# KiCad board MASLAB.kicad_pcb (continued)
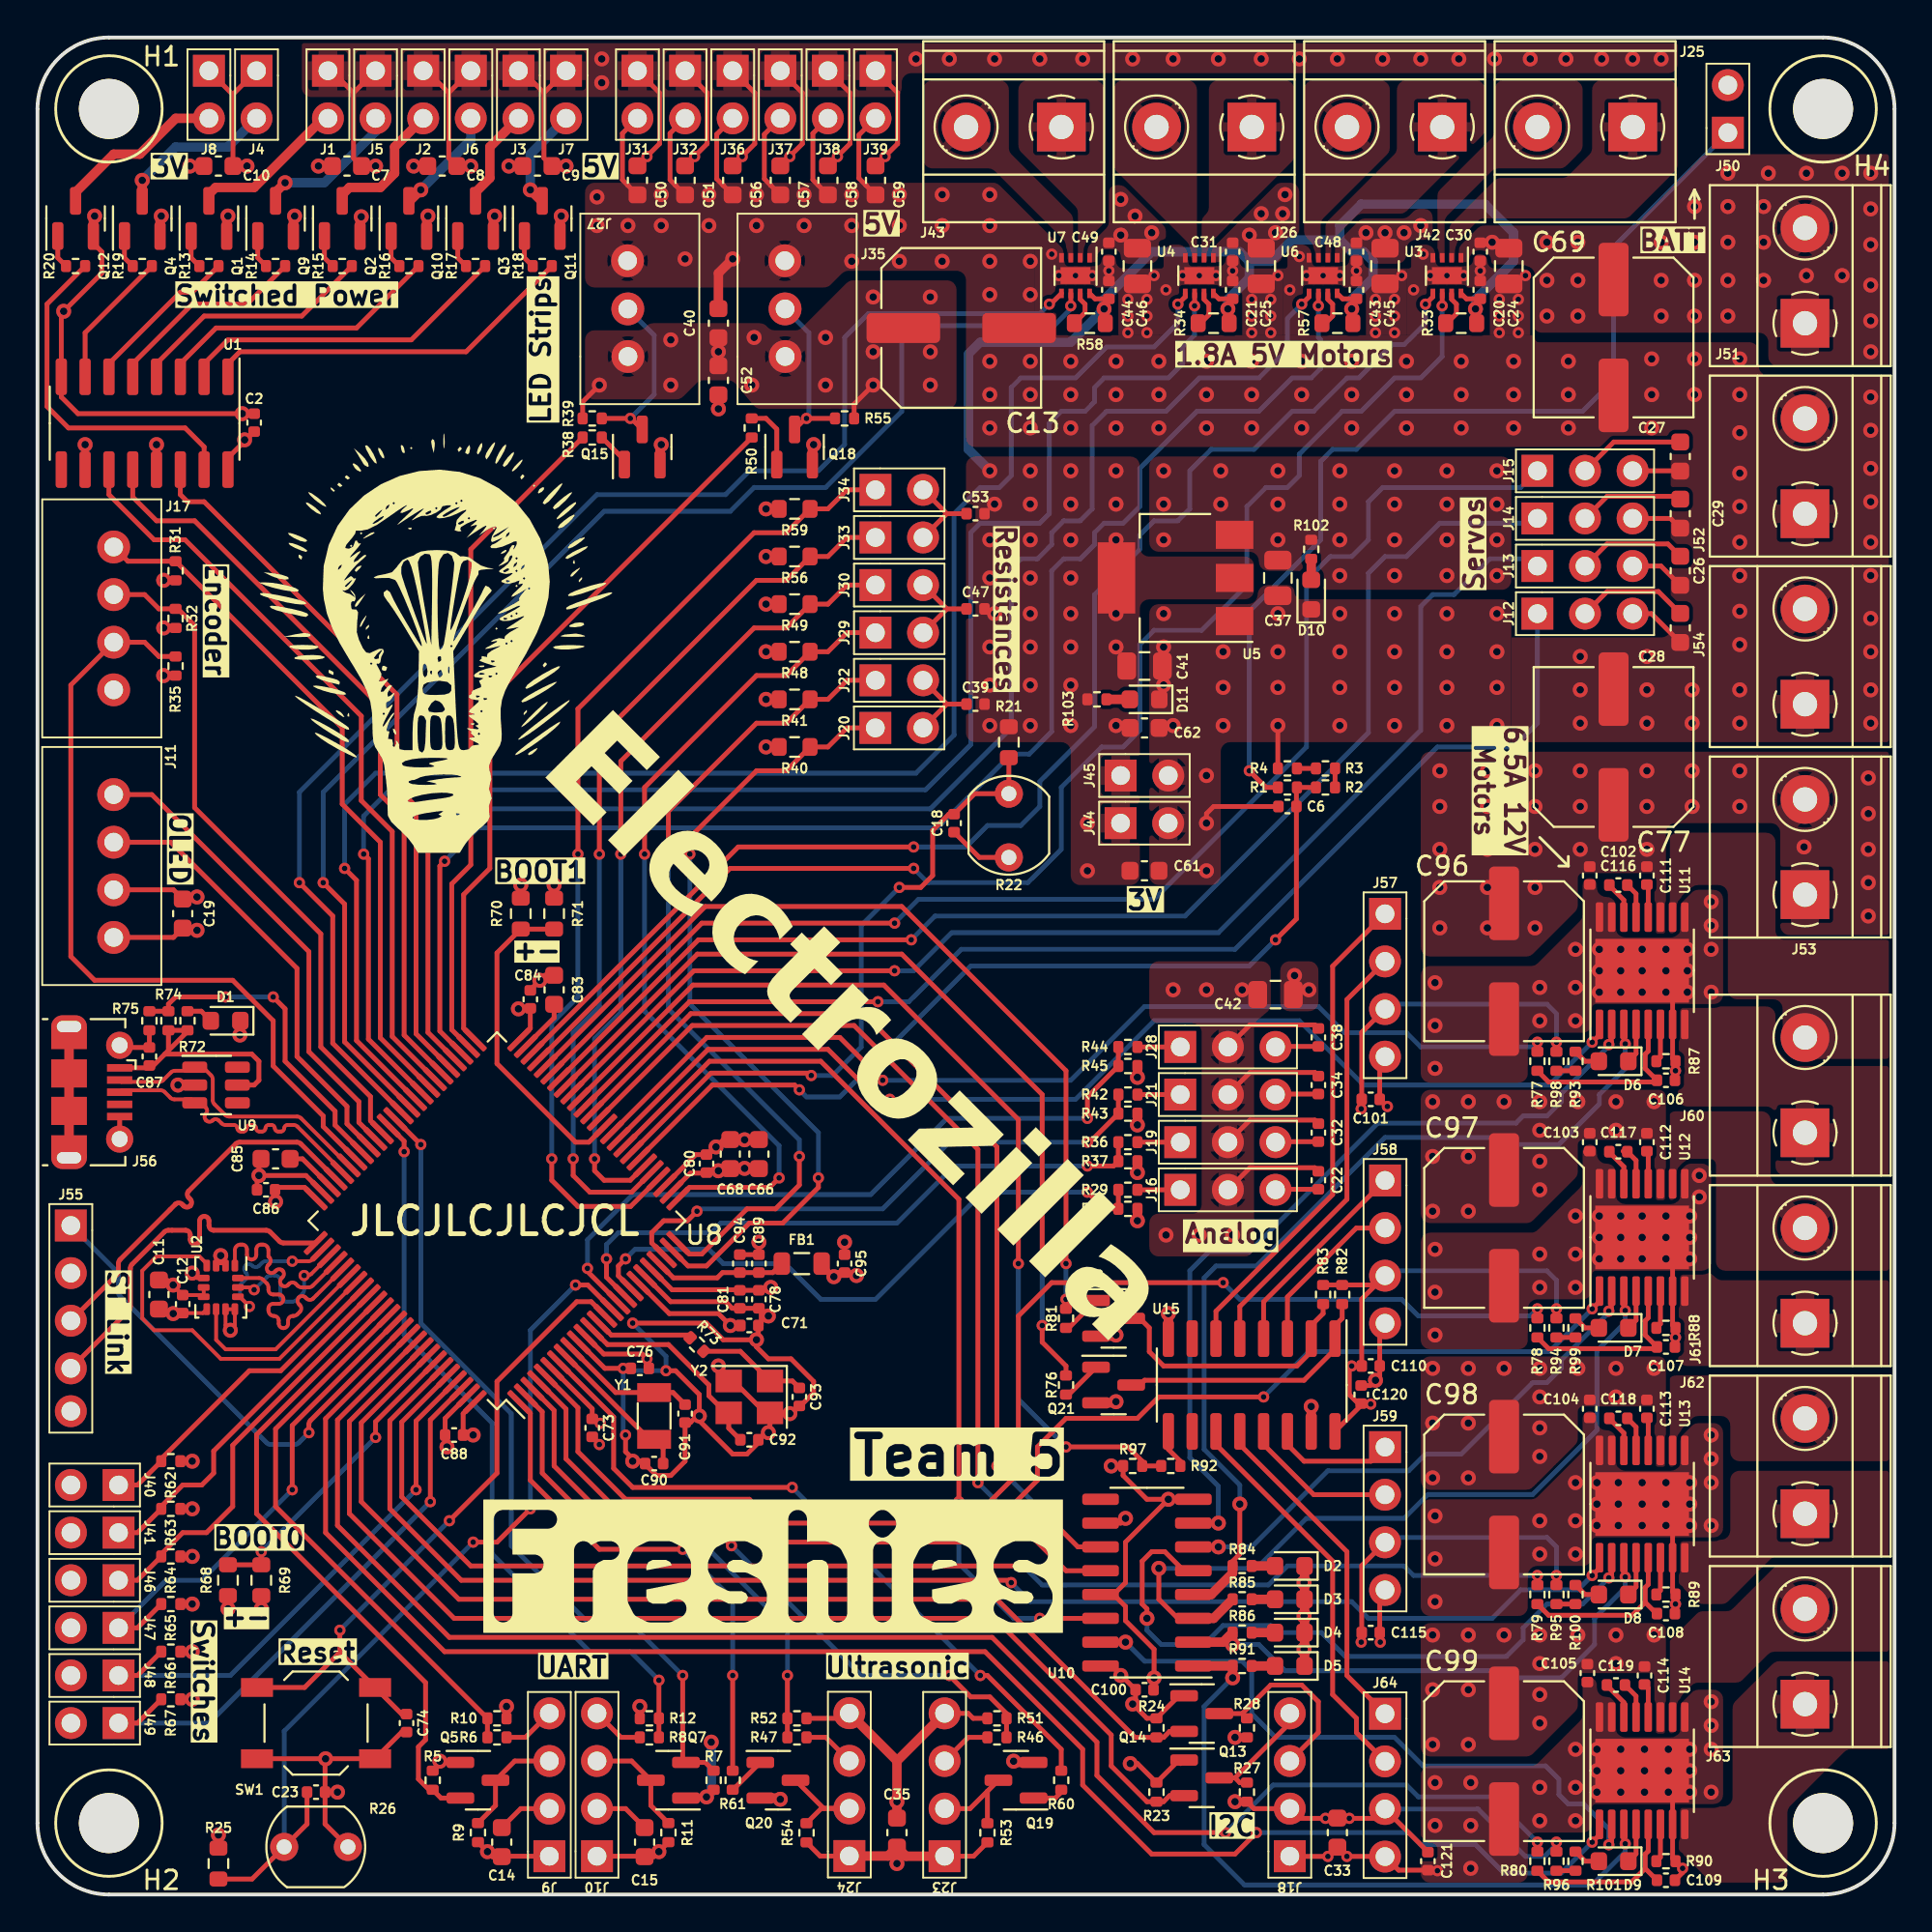
[diagram p0: board, top side]
## Routing (per net, layer and track width the routed paths; a pad name or vN(x,y) marks a point on that pad's centre or on a via; arc(x,y) is an arc through that point) (continued)
VBUS: length 14
  Top w0.254: 6.98,45.02 R74.1 R72.1 8,46.04 6.98,45.02 ; 6.98,45.02 6.79,44.83 ; U9.5 11.56,43.18 11.81,43.43 11.81,44.45 11.43,44.83 6.79,44.83 ; J56.1 5.84,44.1 C87.1 6.19,44.22 6.79,44.83
+BATT: length 53.1
  Top w0.254: v2(64.64,59.94) 65.53,59.05 R1.1
  Bottom w0.254: J50.1 84.07,87.88 84.07,80.77 82.42,79.12 72.39,79.12 70.36,77.09 69.09,77.09 68.45,76.45 68.45,72.26 64.64,68.45 v2(64.64,59.94)
/A1HDR: length 2.3
  Top w0.254: R29.1 J16.1
/A2HDR: length 2.3
  Top w0.254: R36.1 J19.1
/A3HDR: length 2.3
  Top w0.254: R42.1 J21.1
/A4HDR: length 2.3
  Top w0.254: J28.1 R44.1
/AIN1: length 33.4
  Top w0.254: R29.2 R30.1 56.9,36.58 v2(56.01,37.46) ; v2(31.37,33.91) 30.99,33.53 30.99,33 U8.18
  Bottom w0.254: v2(56.01,37.46) 50.42,37.46 44.7,31.75 41.78,31.75 39.88,33.66 36.58,33.66 35.81,34.42 31.88,34.42 v2(31.37,33.91)
/AIN2: length 33.3
  Top w0.254: R36.2 R37.1 57.4,38.86 v2(56.01,38.86) ; v2(30.35,33.91) 30.35,32.93 U8.17
  Bottom w0.254: v2(30.35,33.91) 30.35,34.67 30.99,35.31 35.94,35.31 36.45,35.81 45.85,35.81 48.9,38.86 v2(56.01,38.86)
/AIN3: length 30.1
  Top w0.254: U8.23 32.77,34.76 32.77,35.31 33.4,35.94 34.67,35.94 v2(35.18,36.45) ; R42.2 57.66,41.66 R43.1 57.66,41.65 56.13,40.13 v2(56.01,40.13)
  Bottom w0.254: v2(56.01,40.13) 48.64,40.13 45.09,36.58 35.31,36.58 v2(35.18,36.45)
/AIN4: length 37.9
  Top w0.254: v2(29.34,33.4) 29.34,33.24 U8.16 ; R44.2 R45.1 56.01,42.55 v2(56.01,41.4)
  Bottom w0.254: v2(29.34,33.4) 29.34,34.92 31.75,37.34 44.45,37.34 48.51,41.4 v2(56.01,41.4)
/AMB1: length 35.3
  Top w0.254: v2(41.28,43.69) 41.15,43.81 35.92,43.81 U8.33 ; v2(45.97,53.72) 47.12,53.72 47.75,54.36 47.75,56.77 48.61,57.63 C18.1 49.99,58.72 R22.1 R21.2
  Bottom w0.254: v2(41.28,43.69) 42.42,43.69 43.94,45.21 43.94,51.69 v2(45.97,53.72)
/AMB2: length 47.3
  Top w0.254: R25.2 11.44,0.83 R26.1 14.38,3.76 14.38,5.46 ; v2(28.7,32.51) 29.35,32.51 U8.15 ; v2(23.24,18.8) 24.51,18.8 v2(26.29,20.57)
  Bottom w0.254: v2(26.29,20.57) 26.29,30.1 v2(28.7,32.51) ; v2(23.24,18.8) 13.16,8.71 R26.1
/BOOT0: length 16.4
  Top w0.254: R68.2 R69.1 v2(11.94,18.29) ; U8.94 18.03,25.22 v2(18.03,24.38)
  Bottom w0.254: v2(18.03,24.38) v2(11.94,18.29)
/BOOT1: length 17.4
  Top w0.254: R71.1 R70.2 24.51,50.23 24.51,44.32 28.7,40.13 29.41,40.13 U8.37
/BREF: length 49
  Top w0.254: R2.1 67.19,59.05 67.16,59.02 C6.1 67.16,52.04 v2(66.04,50.93) ; U8.32 35.99,43.18 40.39,43.18 v2(40.64,42.93)
  Bottom w0.254: v2(66.04,50.93) 64.64,49.53 49.78,49.53 42.8,42.55 41.02,42.55 v2(40.64,42.93)
/BRR1: length 1
  Top w0.254: R3.1 69.22,59.06 R2.2
/BRR2: length 1
  Top w0.254: 67.19,60.07 R3.2
/DRE1: length 37.2
  Top w0.254: U8.58 18.29,45.7 18.29,56.13 16.26,58.17 16.26,62.23 R31.2 4.82,71.12 J17.1
/DRE2: length 36.2
  Top w0.254: J17.2 5.71,69.34 6.47,68.58 R32.2 7.49,68.58 8.38,67.69 8.38,57.98 15.11,51.24 15.11,45.21 17.76,42.56 17.76,41.28 U8.65
/DRESW: length 42.7
  Top w0.254: R35.2 6.47,66.04 5.71,66.8 J17.3 1.78,64.52 1.78,50.04 3.05,48.77 10.41,48.77 12.57,46.61 12.57,44.2 15.24,41.53 15.24,40.97 U8.69
/ECHO1: length 35.6
  Top w0.254: v2(48.64,11.68) 49.78,10.54 50.8,10.54 51.69,9.65 R51.2 ; R46.1 51.69,9.4 R51.2 ; 51.69,9.52 R51.2 ; v2(37.02,18.61) 35.81,19.81 30.61,19.81 27.56,22.86 27.56,25.82 U8.3
  Bottom w0.254: v2(37.02,18.61) 43.94,11.68 v2(48.64,11.68)
/ECHO2: length 26.9
  Top w0.254: v2(35.69,18.54) 35.05,19.18 30.23,19.18 26.92,22.48 26.92,25.75 U8.2 ; 40,8.38 40,11.68 v2(40,11.68)
  Bottom w0.254: v2(35.69,18.54) 40,14.22 v2(40,11.68)
/ENCCLK: length 14.5
  Top w0.254: Q22.3 58.8,30.73 59.31,30.23 59.31,28.96 60.07,28.19 67.18,28.19 67.94,28.96 U15.2 67.94,30.35 68.58,30.99 R83.2
/ENCLK: length 47.6
  Top w0.254: v2(54.86,33.66) 54.86,43.94 46.1,52.7 35.62,52.7 U8.46 ; R81.1 v2(54.86,31.75)
  Bottom w0.254: v2(54.86,33.66) v2(54.86,31.75)
/ENLCLK: length 2.2
  Top w0.254: Q22.1 55.01,30.22 R81.2
/ENPL: length 46.9
  Top w0.254: U8.43 35.2,50.16 46.1,50.16 53.59,42.67 v2(53.59,33.66) ; v2(53.59,30.35) 53.59,29.46 54.86,28.19 R76.1
  Bottom w0.254: v2(53.59,30.35) v2(53.59,33.66)
/ENPLC: length 14.2
  Top w0.254: R82.2 69.6,30.73 69.22,30.35 U15.1 69.22,29.08 67.56,27.43 59.06,27.43 58.8,27.18 Q21.3
/ENPLL: length 2.2
  Top w0.254: R76.2 55.01,26.67 Q21.1
/ENSO: length 53.1
  Top w0.254: v2(52.32,33.66) 52.32,41.34 45.15,48.51 34.96,48.51 U8.41 ; v2(54.86,23.88) 58.17,23.88 58.93,23.11 R97.1 R92.1
  Bottom w0.254: v2(54.86,23.88) 52.32,26.42 v2(52.32,33.66)
/ENSOC: length 2.1
  Top w0.254: R92.2 60.96,23.11 60.32,23.75 60.32,24.7
/GCS: length 7.9
  Top w0.2: v2(11.3,31.37) 10.79,31.88 U2.12 ; U8.77 14.66,33.87 arc(14.56,33.8) 14.45,33.78 v2(13.59,33.78)
  Bottom w0.2: v2(11.3,31.37) 10.88,31.79 arc(10.82,31.89) 10.79,32 10.79,32.39 arc(10.82,32.5) 10.88,32.6 11.11,32.83 arc(11.19,33.01) 11.11,33.18 11.1,33.2 arc(11.03,33.37) 11.1,33.55 arc(11.28,33.62) 11.45,33.55 11.47,33.54 arc(11.64,33.46) 11.82,33.54 11.98,33.69 arc(12.07,33.76) 12.19,33.78 v2(13.59,33.78)
/GINT1: length 20.5
  Top w0.2: U2.4 9.03,33.64 8.64,34.04 6.35,34.04 5.59,33.27 5.59,30.73 6.22,30.1 8.25,30.1 9.78,28.57 12.9,28.57 U8.82
/GINT2: length 10.5
  Top w0.2: U8.81 12.7,29.08 10.03,29.08 9.53,29.59 U2.9
/GSCLK: length 7.8
  Top w0.2: v2(11.56,32.26) 11.43,32.38 U2.13 ; U8.78 14.61,33.11 arc(14.51,33.04) 14.39,33.02 v2(14.22,33.02)
  Bottom w0.2: v2(11.56,32.26) 12.23,32.93 arc(12.33,33) 12.44,33.02 12.65,33.02 arc(12.87,32.93) 12.95,32.72 12.95,31.92 arc(13.04,31.71) 13.25,31.62 13.59,31.62 arc(13.71,31.65) 13.8,31.71 14.14,32.04 arc(14.2,32.14) 14.22,32.26 v2(14.22,33.02)
/GSDI: length 11
  Top w0.2: U2.14 11.82,32.88 arc(11.94,32.86) 12.03,32.8 12.23,32.6 arc(12.3,32.5) 12.32,32.39 12.32,32.26 arc(12.39,32.08) 12.57,32.01 12.87,32.01 arc(13.05,31.93) 13.12,31.76 arc(13.05,31.58) 12.87,31.51 12.57,31.51 arc(12.39,31.43) 12.32,31.26 12.32,31.16 arc(12.41,30.95) 12.62,30.86 arc(12.8,30.79) 12.87,30.61 12.87,30.46 arc(12.94,30.28) 13.12,30.21 arc(13.3,30.28) 13.37,30.46 13.37,30.61 arc(13.44,30.79) 13.62,30.86 13.65,30.86 arc(13.76,30.88) 13.86,30.95 14,31.09 arc(14.07,31.26) 14,31.44 13.94,31.5 arc(13.87,31.67) 13.94,31.85 arc(14.12,31.92) 14.3,31.85 14.35,31.79 arc(14.53,31.72) 14.71,31.79 U8.80
/GSDO: length 10.7
  Top w0.2: U8.79 14.68,32.47 arc(14.58,32.41) 14.47,32.38 14.09,32.38 arc(13.98,32.41) 13.88,32.47 13.78,32.58 arc(13.6,32.65) 13.43,32.58 13.37,32.51 arc(13.19,32.44) 13.01,32.51 arc(12.94,32.69) 13.01,32.87 13.07,32.93 arc(13.15,33.11) 13.07,33.28 arc(12.9,33.36) 12.72,33.28 12.66,33.22 arc(12.48,33.15) 12.3,33.22 arc(12.23,33.4) 12.3,33.58 12.37,33.64 arc(12.44,33.81) 12.37,33.99 12.32,34.04 12.32,34.37 arc(12.23,34.58) 12.02,34.67 11.92,34.67 arc(11.75,34.6) 11.67,34.42 11.67,34.12 arc(11.6,33.94) 11.42,33.87 arc(11.25,33.94) 11.17,34.12 11.17,34.42 arc(11.1,34.6) 10.92,34.67 10.83,34.67 arc(10.62,34.58) 10.53,34.37 U2.1
/LMCLK: length 51.1
  Top w0.254: U10.11 55.5,18.54 v2(53.59,20.45) ; v2(51.18,22.86) 51.18,39.88 44.07,46.99 34.85,46.99 U8.39
  Bottom w0.254: v2(53.59,20.45) v2(51.18,22.86)
/LMDAT: length 50.9
  Top w0.254: v2(49.15,20.95) 49.15,37.08 41.78,44.45 35.85,44.45 U8.34 ; U10.14 v2(53.47,14.73)
  Bottom w0.254: v2(53.47,14.73) 52.07,14.73 49.15,17.65 v2(49.15,20.95)
/LMSV: length 51.3
  Top w0.254: v2(50.16,21.97) 50.16,39.75 43.56,46.35 34.92,46.35 U8.38 ; U10.12 54.86,17.27 v2(52.64,19.49)
  Bottom w0.254: v2(50.16,21.97) v2(52.64,19.49)
/M1CPH: length 1.9
  Top w0.25: C116.2 85.27,53.38 U11.13
/M1CPL: length 2
  Top w0.25: U11.14 84.62,53.05 83.85,53.82 C116.1
/M1CREF: length 55.5
  Top w0.25: R77.1 v2(80.01,45.47)
  Top w0.254: U8.36 35.7,45.72 42.8,45.72 v2(45.09,43.43)
  Bottom w0.25: v2(45.09,43.43) 55.12,43.43 59.06,47.37 68.33,47.37 69.72,45.97 73.03,45.97 73.79,45.21 79.76,45.21 v2(80.01,45.47)
/M1EN: length 60.2
  Top w0.254: v2(45.47,42.42) 44.83,42.42 42.16,45.08 35.78,45.08 U8.35 ; U11.1 83.32,45.86 v2(82.93,45.47)
  Bottom w0.254: v2(82.93,45.47) 80.65,43.18 70.74,43.18 67.31,46.61 59.56,46.61 55.37,42.42 v2(45.47,42.42)
/M1ENA: length 23.3
  Top w0.254: 64.13,29.65 64.13,31.37 69.85,37.08 69.85,47.74 J57.2
/M1ENB: length 26.4
  Top w0.254: J57.1 69.09,49.52 69.09,37.34 62.87,31.11 U15.6
/M1FLED: length 1.5
  Top w0.254: R93.2 82.55,44.45 D6.2
/M1IROPI: length 2.1
  Top w0.254: 86.57,46.41 86.57,44.66 R87.1
/M1nFLT: length 2.1
  Top w0.254: D6.1 85.27,44.86 U11.4
/M1nSLP: length 49.4
  Top w0.254: U11.3 84.62,45.45 v2(84.7,45.37) ; 63.75,17.53 63.75,17.78 64.13,18.16 v1(64.13,20.83)
  Top w0.5: 63.75,17.53 R84.1 63.75,17.14 62.61,16 U10.4
  Bottom w0.254: v1(64.13,20.83) 64.13,21.84 62.23,23.75 62.23,32.89 62.87,33.53 65.02,33.53 71.88,40.39 78.1,40.39 78.49,40 81.15,40 83.31,42.16 83.31,42.67 84.7,44.06 v2(84.7,45.37)
/M1PH: length 44.2
  Top w0.254: v2(83.82,45.34) 83.96,45.48 83.96,46.4 U11.2 ; U10.7 v1(62.99,19.81)
  Bottom w0.254: v2(83.82,45.34) 83.82,45.26 81.28,42.72 81.28,42.29 80.52,41.53 79.25,41.53 78.87,41.15 71.5,41.15 64.64,34.29 62.48,34.29 61.47,33.27 61.47,23.3 62.99,21.78 v1(62.99,19.81)
/M1SLED: length 1
  Top w0.254: R93.1 R98.1
/M1SPLD: length 1.2
  Top w0.5: R84.2 D2.2
/M1VCP: length 1.8
  Top w0.25: U11.12 85.92,53.8 C111.2
/M1VREF: length 10
  Top w0.254: R77.2 80.61,43.34 86.3,43.34 C106.1 85.76,44.06 85.76,44.83 85.92,44.99 U11.5
/M2CPH: length 2
  Top w0.254: 84.58,39.65 84.65,39.58 ; C117.2 85.27,39.16 U12.13
/M2CPL: length 2
  Top w0.254: U12.14 84.62,38.82 83.85,39.6
/M2CREF: length 69.2
  Top w0.25: R78.1 v2(80.01,31.24)
  Top w0.254: v2(63.25,32.64) 54.1,32.64 52.32,30.86 52.32,22.48 49.66,19.81 39.24,19.81 37.97,21.08 31.37,21.08 28.83,23.62 28.83,25.97 U8.5
  Bottom w0.25: v2(63.25,32.64) 64.13,31.75 72.77,31.75 73.66,30.86 79.63,30.86 v2(80.01,31.24)
/M2EN: length 68.6
  Top w0.254: v2(65.41,26.54) 59.82,26.54 58.67,25.4 54.86,25.4 53.34,23.88 53.34,22.1 50.04,18.8 38.61,18.8 36.96,20.45 30.99,20.45 28.19,23.24 28.19,25.89 U8.4 ; U12.1 83.32,31.63 v2(82.93,31.24)
  Bottom w0.254: v2(82.93,31.24) 80.65,28.96 67.82,28.96 v2(65.41,26.54)
/M2ENA: length 9
  Top w0.254: J58.2 70.35,35.55 66.67,31.88 66.67,29.65
/M2ENB: length 11.1
  Top w0.254: J58.1 65.41,31.61 U15.4
/M2FLED: length 1.5
  Top w0.254: D7.2 82.55,30.23 R99.2
/M2IROPI: length 2.1
  Top w0.254: R88.1 86.57,30.44 86.57,32.19
/M2nFLT: length 2.1
  Top w0.254: D7.1 85.27,30.64 U12.4
/M2nSLP: length 40.9
  Top w0.254: U12.3 84.62,31.22 v2(84.7,31.15) ; U10.3 60.83,14.73 59.82,15.75 v1(59.82,17.4)
  Top w0.5: U10.3 62.74,14.73 R85.1
  Bottom w0.254: v1(59.82,17.4) 65.02,17.4 67.69,20.07 72.9,20.07 74.17,21.34 79.76,21.34 83.19,24.77 83.19,29.01 84.7,30.52 v2(84.7,31.15)
/M2PH: length 28.8
  Top w0.254: v2(83.82,31.12) 83.96,31.26 83.96,32.17 U12.2 ; U10.6 v1(62.99,18.54)
  Bottom w0.254: v1(62.99,18.54) 64.77,18.54 68.83,22.61 73.15,22.61 74.04,23.49 75.95,23.49 79.76,27.3 80.52,27.3 81.28,28.07 81.28,28.5 83.82,31.04 v2(83.82,31.12)
/M2SLED: length 1
  Top w0.254: R99.1 R94.1
/M2SPLD: length 1.2
  Top w0.5: D3.2 R85.2
/M2VCP: length 1.7
  Top w0.254: 85.92,39.58 U12.12
/M2VREF: length 10
  Top w0.254: U12.5 85.92,30.76 85.76,30.6 85.76,29.84 C107.1 86.3,29.12 80.61,29.12 R78.2
/M3CPH: length 1.9
  Top w0.254: C118.2 85.27,24.94 U13.13
/M3CPL: length 2
  Top w0.254: C118.1 83.85,25.39 84.62,24.61 U13.14
/M3CREF: length 71.2
  Top w0.25: R79.1 v2(80.01,17.02)
  Top w0.254: U8.96 19.43,25.2 19.43,21.21 23.11,17.53 v2(52.58,17.53)
  Bottom w0.25: 54.86,16.51 65.66,16.51 66.67,17.53 72.9,17.53 73.41,17.02 v2(80.01,17.02)
  Bottom w0.254: 54.86,16.51 53.59,16.51 v2(52.58,17.53)
/M3EN: length 77.2
  Top w0.254: U8.95 18.8,25.28 18.8,20.57 22.61,16.76 51.82,16.76 v2(51.94,16.64) ; v2(82.93,17.02) 83.32,17.41 U13.1
  Bottom w0.254: v2(51.94,16.64) 52.96,15.62 70.1,15.62 70.99,14.73 77.6,14.73 79.12,16.26 82.17,16.26 v2(82.93,17.02)
/M3ENA: length 8.3
  Top w0.254: 65.41,24.7 65.41,24 68.08,21.33 J59.2
/M3ENB: length 6.6
  Top w0.254: 66.67,24.7 66.67,24 67.56,23.11 71.13,23.11 J59.1
/M3FLED: length 1.5
  Top w0.254: R100.2 82.55,16 D8.2
/M3IROPI: length 2.1
  Top w0.254: R89.1 86.57,16.22 86.57,17.97
/M3nFLT: length 2.1
  Top w0.254: D8.1 85.27,16.41 U13.4
/M3nSLP: length 29.1
  Top w0.254: U13.3 84.62,17.01 v2(84.7,16.94)
  Top w0.5: v1(63.75,13.33) 63.75,13.34 R86.1 63.24,13.46 U10.2
  Bottom w0.254: v1(63.75,13.33) 65.15,13.33 66.55,11.94 77.79,11.94 78.17,11.56 81.28,11.56 83.06,13.33 83.06,14.73 84.7,16.37 v2(84.7,16.94)
/M3PH: length 36.5
  Top w0.254: v1(59.18,14.73) 59.18,15.24 58.93,15.49 58.93,17.78 59.44,18.29 60.13,18.29 61.15,17.27 U10.5 ; U13.2 83.97,17.04 v2(83.82,16.89)
  Bottom w0.254: v1(59.18,14.73) 59.18,14.1 59.94,13.33 62.23,13.33 63.25,14.35 65.79,14.35 66.17,13.97 68.49,13.97 69.76,12.7 78.36,12.7 79.25,13.59 79.25,14.22 80.52,15.49 82.42,15.49 v2(83.82,16.89)
/M3SLED: length 1
  Top w0.254: R95.1 R100.1
/M3SPLD: length 1.2
  Top w0.5: D4.2 R86.2
/M3VCP: length 1.8
  Top w0.254: U13.12 85.92,25.36 C113.2
/M3VREF: length 9.6
  Top w0.254: 85.76,15.58 85.07,14.89 80.61,14.89 R79.2 ; 85.76,15.58 86.36,14.99 C108.1 ; 85.76,15.58 85.76,16.38 85.92,16.54 U13.5
/M4CPH: length 2
  Top w0.25: U14.13 85.27,10.58 C119.2
/M4CPL: length 2.1
  Top w0.25: C119.1 83.72,11.15 84.62,10.25 U14.14
/M4CREF: length 86.1
  Top w0.254: R80.1 v2(80.01,2.79) ; v2(63.37,3.3) 59.56,3.3 56.51,6.35 56.51,8.13 50.93,13.72 21.97,13.72 16,19.69 16,25.31 U8.91
  Bottom w0.254: v2(63.37,3.3) 65.91,5.84 73.03,5.84 73.66,5.21 77.6,5.21 v2(80.01,2.79)
/M4EN: length 91.3
  Top w0.254: U14.1 83.32,3.19 v2(82.93,2.79) ; v2(65.02,3.3) 63.88,2.16 59.44,2.16 55.75,5.84 55.75,7.75 50.55,12.95 21.72,12.95 15.37,19.3 15.37,25.38 U8.90
  Bottom w0.254: v2(65.02,3.3) 73.15,3.3 73.79,2.67 76.71,2.67 78.23,1.14 81.28,1.14 v2(82.93,2.79)
/M4ENA: length 21.3
  Top w0.254: 62.87,24.7 62.87,24 69.09,17.78 69.09,10.67 70.36,9.4 70.36,8.64 71.88,7.11 J64.2
/M4ENB: length 18.3
  Top w0.254: J64.1 71.88,9.65 69.85,11.68 69.85,18.29 64.13,24 64.13,24.7
/M4FLED: length 1.5
  Top w0.254: R101.2 82.55,1.78 D9.2
/M4IROPI: length 2.1
  Top w0.254: 86.57,3.74 86.57,1.99 R90.1
/M4nFLT: length 2.1
  Top w0.254: 84.88,1.78 85.27,2.17 U14.4
/M4nSLP: length 37.8
  Top w0.254: v2(84.7,2.7) 84.62,2.78 U14.3
  Top w0.5: v1(63.75,11.56) 63.75,11.56 R91.1 U10.1
  Bottom w0.254: v2(84.7,2.7) 84.7,2.27 82.93,0.51 64.39,0.51 62.23,2.67 62.23,10.03 v1(63.75,11.56)
/M4PH: length 35.1
  Top w0.254: U10.15 v1(58.04,13.46) ; U14.2 83.97,2.81 v2(83.82,2.65)
  Bottom w0.254: v1(58.04,13.46) 59.06,12.45 64.26,12.45 64.77,11.94 64.77,9.65 66.04,8.38 72.39,8.38 73.91,6.86 80.45,6.86 81.15,6.16 81.15,5.33 81.66,4.83 82.49,4.83 83.82,3.49 v2(83.82,2.65)
/M4SLED: length 1
  Top w0.254: R96.1 R101.1
/M4SPLD: length 1.2
  Top w0.5: D5.2 R91.2
/M4VCP: length 1.8
  Top w0.25: U14.12 85.92,11.01 C114.2
/M4VREF: length 9.6
  Top w0.254: 85.76,1.39 85.76,2.15 85.92,2.32 U14.5 ; 85.76,1.39 85.04,0.67 80.61,0.67 R80.2 ; 85.76,1.39 C109.1
/M5IN1: length 75.4
  Top w0.254: U3.6 74.93,84.75 v2(74.93,84.74) ; v2(46.74,54.74) 36.94,54.74 U8.47
  Bottom w0.254: v2(74.93,84.74) 74.93,82.04 73.79,80.9 72.39,80.9 70.61,79.12 69.6,79.12 67.31,76.83 67.31,75.69 66.67,75.06 65.53,75.06 64.52,74.04 64.52,69.85 62.1,67.44 59.56,67.44 58.8,66.67 58.8,62.1 57.91,61.21 56.77,61.21 54.61,59.05 54.61,55.75 52.83,53.97 47.5,53.97 v2(46.74,54.74)
/M5IN2: length 72.1
  Top w0.254: v2(46.74,55.88) 37.38,55.88 U8.48 ; v2(74.04,84.84) 74.43,85.23 U3.5
  Bottom w0.254: v2(46.74,55.88) 49.53,55.88 50.67,57.02 52.45,57.02 53.47,58.04 53.47,59.37 56.39,62.29 56.39,69.34 58.8,71.75 58.8,72.52 59.56,73.28 60.83,73.28 61.47,73.91 61.47,75.95 62.61,77.09 64.9,77.09 66.93,79.12 68.07,79.12 69.85,80.9 70.48,80.9 72.26,82.68 72.9,82.68 74.04,83.82 v2(74.04,84.84)
/M5nSLP: length 2
  Top w0.254: U3.7 75.43,85.1 75.69,84.84 75.69,84.33 75.18,83.82 R33.2
/M6IN1: length 79.1
  Top w0.254: v2(21.72,55.12) 21.46,54.86 21.46,46.06 U8.53 ; v2(68.33,84.74) 68.33,84.75 U6.6
  Bottom w0.254: v2(21.72,55.12) 23.5,56.9 48.01,56.9 51.94,60.83 52.9,60.83 54.1,62.03 54.1,70.61 54.74,71.25 55.63,71.25 56.39,72.01 56.39,72.64 56.9,73.15 57.91,73.15 58.8,74.04 58.8,76.07 61.85,79.12 65.15,79.12 66.93,80.9 67.94,80.9 68.45,81.41 68.45,82.93 68.33,83.06 v2(68.33,84.74)
/M6IN2: length 80.3
  Top w0.254: v2(67.44,84.84) 67.83,85.23 U6.5 ; v2(21.21,56.39) 20.83,56.01 20.83,45.99 U8.54
  Bottom w0.254: v2(67.44,84.84) 66.67,84.07 66.67,82.42 65.16,80.9 61.98,80.9 60.2,79.12 57.02,79.12 56.26,78.36 56.26,73.91 55.63,73.28 54.74,73.28 54.1,72.64 54.1,72.01 53.34,71.25 52.45,71.25 51.94,70.74 51.94,62.23 47.62,57.91 22.73,57.91 v2(21.21,56.39)
/M6nSLP: length 2
  Top w0.254: U6.7 68.83,85.09 69.09,84.84 69.09,84.2 68.71,83.82 R57.2
/M7IN1: length 83.6
  Top w0.254: v2(17.4,55.5) 17.65,55.24 17.65,45.63 U8.59 ; U4.6 61.73,84.75 v2(61.72,84.74)
  Bottom w0.254: v2(17.4,55.5) 17.4,57.53 18.8,58.93 47.37,58.93 49.78,61.34 49.78,72.64 50.29,73.15 53.47,73.15 53.97,73.66 53.97,78.49 54.61,79.12 55.88,79.12 56.39,79.63 56.39,80.39 56.9,80.9 60.32,80.9 61.09,81.66 61.09,82.55 61.72,83.19 v2(61.72,84.74)
/M7IN2: length 83.8
  Top w0.254: U8.60 17.02,45.56 17.02,54.1 v2(16.38,54.74) ; v2(60.83,84.84) 61.23,85.23 U4.5
  Bottom w0.254: v2(16.38,54.74) 16.38,58.17 18.03,59.82 46.86,59.82 48.9,61.85 48.9,73.66 50.29,75.06 51.31,75.06 51.94,75.69 51.94,80.39 52.45,80.9 55.37,80.9 57.02,82.55 59.56,82.55 60.83,83.82 v2(60.83,84.84)
/M7nSLP: length 2
  Top w0.254: U4.7 62.23,85.09 62.48,84.84 62.48,84.26 62.04,83.82 R34.2
/M8IN1: length 72.2
  Top w0.254: v2(55.12,84.74) 55.12,84.75 U7.6 ; v2(15.24,53.97) 16.38,52.83 16.38,45.48 U8.61
  Bottom w0.254: v2(55.12,84.74) 55.12,84.58 54.23,83.69 46.99,83.69 46.1,82.8 46.1,79.11 42.04,75.06 38.23,75.06 36.96,73.79 30.23,73.79 15.24,58.8 v2(15.24,53.97)
/M8IN2: length 74.4
  Top w0.254: v2(53.97,84.84) 54.05,84.84 U7.5 ; U8.62 15.75,45.41 15.75,52.2 v2(13.97,53.97)
  Bottom w0.254: v2(53.97,84.84) 53.47,84.33 44.32,84.33 43.05,83.06 43.05,77.34 41.66,75.95 37.97,75.95 36.7,74.68 29.84,74.68 13.97,58.8 v2(13.97,53.97)
/M8nSLP: length 1.9
  Top w0.254: U7.7 55.62,85.09 55.88,84.84 55.88,84.39 R58.2
/NRST: length 35.9
  Top w0.254: v2(21.97,19.94) 24.51,22.48 24.51,27.37 28.77,31.62 29.54,31.62 U8.14 ; SW1.1 14.25,11.04 16.13,12.92 ; 16.13,12.92 SW1.1 19.43,9.62 C74.1 ; 16.13,12.92 v2(16.13,14.1)
  Bottom w0.254: v2(16.13,14.1) v2(21.97,19.94)